# KiCad board LED_Addrs.kicad_pcb (continued)
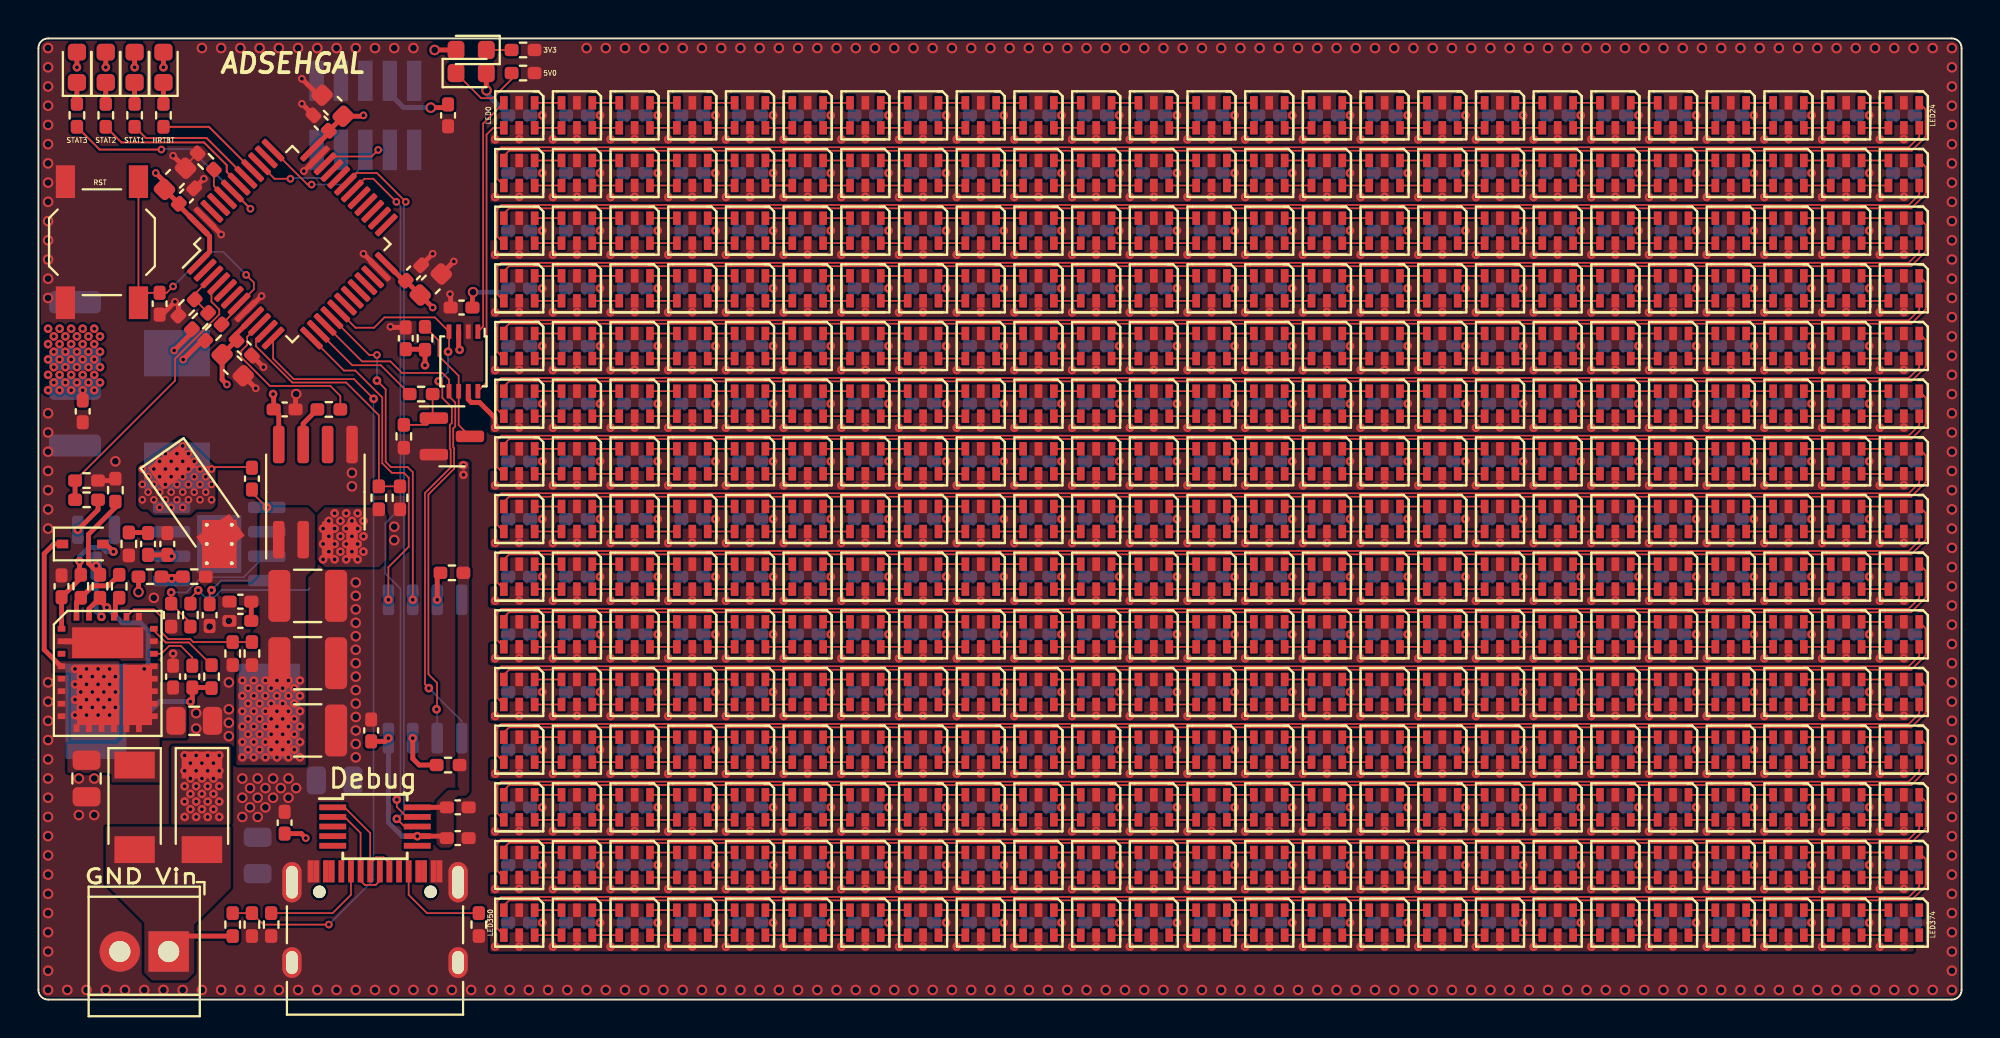
[diagram p0: board, top side]
## Routing (per net, layer and track width the routed paths; a pad name or vN(x,y) marks a point on that pad's centre or on a via; arc(x,y) is an arc through that point) (continued)
  Top w0.089: D48.1 D49.3
Net-(D48-Pad6): length 1.4
  Top w0.089: D48.6 D49.4
Net-(D49-Pad1): length 1.4
  Top w0.089: D49.1 D50.3
Net-(D49-Pad6): length 1.4
  Top w0.089: D50.4 D49.6
Net-(D51-Pad1): length 1.4
  Top w0.089: D51.1 D52.3
Net-(D51-Pad6): length 1.4
  Top w0.089: D52.4 D51.6
Net-(D52-Pad1): length 1.4
  Top w0.089: D53.3 D52.1
Net-(D52-Pad6): length 1.4
  Top w0.089: D52.6 D53.4
Net-(D53-Pad1): length 1.4
  Top w0.089: D54.3 D53.1
Net-(D53-Pad6): length 1.4
  Top w0.089: D54.4 D53.6
Net-(D54-Pad1): length 1.4
  Top w0.089: D55.3 D54.1
Net-(D54-Pad6): length 1.4
  Top w0.089: D54.6 D55.4
Net-(D55-Pad1): length 1.4
  Top w0.089: D55.1 D56.3
Net-(D55-Pad6): length 1.4
  Top w0.089: D56.4 D55.6
Net-(D56-Pad1): length 1.4
  Top w0.089: D57.3 D56.1
Net-(D56-Pad6): length 1.4
  Top w0.089: D56.6 D57.4
Net-(D57-Pad1): length 1.4
  Top w0.089: D57.1 D58.3
Net-(D57-Pad6): length 1.4
  Top w0.089: D58.4 D57.6
Net-(D58-Pad1): length 1.4
  Top w0.089: D58.1 D59.3
Net-(D58-Pad6): length 1.4
  Top w0.089: D59.4 D58.6
Net-(D59-Pad1): length 1.4
  Top w0.089: D60.3 D59.1
Net-(D59-Pad6): length 1.4
  Top w0.089: D59.6 D60.4
Net-(D60-Pad1): length 1.4
  Top w0.089: D60.1 D61.3
Net-(D60-Pad6): length 1.4
  Top w0.089: D61.4 D60.6
Net-(D61-Pad1): length 1.4
  Top w0.089: D61.1 D62.3
Net-(D61-Pad6): length 1.4
  Top w0.089: D62.4 D61.6
Net-(D62-Pad1): length 1.4
  Top w0.089: D62.1 D63.3
Net-(D62-Pad6): length 1.4
  Top w0.089: D63.4 D62.6
Net-(D63-Pad1): length 1.4
  Top w0.089: D64.3 D63.1
Net-(D63-Pad6): length 1.4
  Top w0.089: D63.6 D64.4
Net-(D64-Pad1): length 1.4
  Top w0.089: D64.1 D65.3
Net-(D64-Pad6): length 1.4
  Top w0.089: D65.4 D64.6
Net-(D65-Pad1): length 1.4
  Top w0.089: D66.3 D65.1
Net-(D65-Pad6): length 1.4
  Top w0.089: D65.6 D66.4
Net-(D66-Pad1): length 1.4
  Top w0.089: D66.1 D67.3
Net-(D66-Pad6): length 1.4
  Top w0.089: D67.4 D66.6
Net-(D67-Pad1): length 1.4
  Top w0.089: D68.3 D67.1
Net-(D67-Pad6): length 1.4
  Top w0.089: D67.6 D68.4
Net-(D68-Pad1): length 1.4
  Top w0.089: D68.1 D69.3
Net-(D68-Pad6): length 1.4
  Top w0.089: D69.4 D68.6
Net-(D69-Pad1): length 1.4
  Top w0.089: D70.3 D69.1
Net-(D69-Pad6): length 1.4
  Top w0.089: D69.6 D70.4
Net-(D70-Pad1): length 1.4
  Top w0.089: D70.1 D71.3
Net-(D70-Pad6): length 1.4
  Top w0.089: D71.4 D70.6
Net-(D71-Pad1): length 1.4
  Top w0.089: D72.3 D71.1
Net-(D71-Pad6): length 1.4
  Top w0.089: D71.6 D72.4
Net-(D72-Pad1): length 1.4
  Top w0.089: D73.3 D72.1
Net-(D72-Pad6): length 1.4
  Top w0.089: D72.6 D73.4
Net-(D73-Pad1): length 1.4
  Top w0.089: D74.3 D73.1
Net-(D73-Pad6): length 1.4
  Top w0.089: D73.6 D74.4
Net-(D74-Pad1): length 1.4
  Top w0.089: D74.1 D75.3
Net-(D74-Pad6): length 1.4
  Top w0.089: D75.4 D74.6
Net-(D76-Pad1): length 1.4
  Top w0.089: D77.3 D76.1
Net-(D76-Pad6): length 1.4
  Top w0.089: D76.6 D77.4
Net-(D77-Pad1): length 1.4
  Top w0.089: D77.1 D78.3
Net-(D77-Pad6): length 1.4
  Top w0.089: D78.4 D77.6
Net-(D78-Pad1): length 1.4
  Top w0.089: D79.3 D78.1
Net-(D78-Pad6): length 1.4
  Top w0.089: D78.6 D79.4
Net-(D79-Pad1): length 1.4
  Top w0.089: D79.1 D80.3
Net-(D79-Pad6): length 1.4
  Top w0.089: D80.4 D79.6
Net-(D80-Pad1): length 1.4
  Top w0.089: D81.3 D80.1
Net-(D80-Pad6): length 1.4
  Top w0.089: D80.6 D81.4
Net-(D81-Pad1): length 1.4
  Top w0.089: D81.1 D82.3
Net-(D81-Pad6): length 1.4
  Top w0.089: D82.4 D81.6
Net-(D82-Pad1): length 1.4
  Top w0.089: D83.3 D82.1
Net-(D82-Pad6): length 1.4
  Top w0.089: D82.6 D83.4
Net-(D83-Pad1): length 1.4
  Top w0.089: D83.1 D84.3
Net-(D83-Pad6): length 1.4
  Top w0.089: D84.4 D83.6
Net-(D84-Pad1): length 1.4
  Top w0.089: D85.3 D84.1
Net-(D84-Pad6): length 1.4
  Top w0.089: D84.6 D85.4
Net-(D85-Pad1): length 1.4
  Top w0.089: D85.1 D86.3
Net-(D85-Pad6): length 1.4
  Top w0.089: D86.4 D85.6
Net-(D86-Pad1): length 1.4
  Top w0.089: D87.3 D86.1
Net-(D86-Pad6): length 1.4
  Top w0.089: D86.6 D87.4
Net-(D87-Pad1): length 1.4
  Top w0.089: D87.1 D88.3
Net-(D87-Pad6): length 1.4
  Top w0.089: D88.4 D87.6
Net-(D88-Pad1): length 1.4
  Top w0.089: D89.3 D88.1
Net-(D88-Pad6): length 1.4
  Top w0.089: D88.6 D89.4
Net-(D89-Pad1): length 1.4
  Top w0.089: D89.1 D90.3
Net-(D89-Pad6): length 1.4
  Top w0.089: D90.4 D89.6
Net-(D90-Pad1): length 1.4
  Top w0.089: D91.3 D90.1
Net-(D90-Pad6): length 1.4
  Top w0.089: D90.6 D91.4
Net-(D91-Pad1): length 1.4
  Top w0.089: D91.1 D92.3
Net-(D91-Pad6): length 1.4
  Top w0.089: D92.4 D91.6
Net-(D92-Pad1): length 1.4
  Top w0.089: D93.3 D92.1
Net-(D92-Pad6): length 1.4
  Top w0.089: D92.6 D93.4
Net-(D93-Pad1): length 1.4
  Top w0.089: D93.1 D94.3
Net-(D93-Pad6): length 1.4
  Top w0.089: D94.4 D93.6
Net-(D94-Pad1): length 1.4
  Top w0.089: D95.3 D94.1
Net-(D94-Pad6): length 1.4
  Top w0.089: D94.6 D95.4
Net-(D95-Pad1): length 1.4
  Top w0.089: D95.1 D96.3
Net-(D95-Pad6): length 1.4
  Top w0.089: D96.4 D95.6
Net-(D96-Pad1): length 1.4
  Top w0.089: D97.3 D96.1
Net-(D96-Pad6): length 1.4
  Top w0.089: D96.6 D97.4
Net-(D97-Pad1): length 1.4
  Top w0.089: D97.1 D98.3
Net-(D97-Pad6): length 1.4
  Top w0.089: D98.4 D97.6
Net-(D98-Pad1): length 1.4
  Top w0.089: D99.3 D98.1
Net-(D98-Pad6): length 1.4
  Top w0.089: D98.6 D99.4
Net-(D100-Pad3): length 1.4
  Top w0.089: D99.1 D100.3
Net-(D100-Pad4): length 1.4
  Top w0.089: D100.4 D99.6
Net-(D101-Pad1): length 1.4
  Top w0.089: D101.1 D102.3
Net-(D101-Pad6): length 1.4
  Top w0.089: D102.4 D101.6
Net-(D102-Pad1): length 1.4
  Top w0.089: D103.3 D102.1
Net-(D102-Pad6): length 1.4
  Top w0.089: D102.6 D103.4
Net-(D103-Pad1): length 1.4
  Top w0.089: D104.3 D103.1
Net-(D103-Pad6): length 1.4
  Top w0.089: D104.4 D103.6
Net-(D104-Pad1): length 1.4
  Top w0.089: D105.3 D104.1
Net-(D104-Pad6): length 1.4
  Top w0.089: D104.6 D105.4
Net-(D105-Pad1): length 1.4
  Top w0.089: D105.1 D106.3
Net-(D105-Pad6): length 1.4
  Top w0.089: D106.4 D105.6
Net-(D106-Pad1): length 1.4
  Top w0.089: D107.3 D106.1
Net-(D106-Pad6): length 1.4
  Top w0.089: D106.6 D107.4
Net-(D107-Pad1): length 1.4
  Top w0.089: D107.1 D108.3
Net-(D107-Pad6): length 1.4
  Top w0.089: D108.4 D107.6
Net-(D108-Pad1): length 1.4
  Top w0.089: D108.1 D109.3
Net-(D108-Pad6): length 1.4
  Top w0.089: D109.4 D108.6
Net-(D109-Pad1): length 1.4
  Top w0.089: D110.3 D109.1
Net-(D109-Pad6): length 1.4
  Top w0.089: D109.6 D110.4
Net-(D110-Pad1): length 1.4
  Top w0.089: D110.1 D111.3
Net-(D110-Pad6): length 1.4
  Top w0.089: D111.4 D110.6
Net-(D111-Pad1): length 1.4
  Top w0.089: D111.1 D112.3
Net-(D111-Pad6): length 1.4
  Top w0.089: D112.4 D111.6
Net-(D112-Pad1): length 1.4
  Top w0.089: D112.1 D113.3
Net-(D112-Pad6): length 1.4
  Top w0.089: D113.4 D112.6
Net-(D113-Pad1): length 1.4
  Top w0.089: D114.3 D113.1
Net-(D113-Pad6): length 1.4
  Top w0.089: D113.6 D114.4
Net-(D114-Pad1): length 1.4
  Top w0.089: D114.1 D115.3
Net-(D114-Pad6): length 1.4
  Top w0.089: D115.4 D114.6
Net-(D115-Pad1): length 1.4
  Top w0.089: D116.3 D115.1
Net-(D115-Pad6): length 1.4
  Top w0.089: D115.6 D116.4
Net-(D116-Pad1): length 1.4
  Top w0.089: D116.1 D117.3
Net-(D116-Pad6): length 1.4
  Top w0.089: D117.4 D116.6
Net-(D117-Pad1): length 1.4
  Top w0.089: D118.3 D117.1
Net-(D117-Pad6): length 1.4
  Top w0.089: D117.6 D118.4
Net-(D118-Pad1): length 1.4
  Top w0.089: D118.1 D119.3
Net-(D118-Pad6): length 1.4
  Top w0.089: D119.4 D118.6
Net-(D119-Pad1): length 1.4
  Top w0.089: D120.3 D119.1
Net-(D119-Pad6): length 1.4
  Top w0.089: D119.6 D120.4
Net-(D120-Pad1): length 1.4
  Top w0.089: D120.1 D121.3
Net-(D120-Pad6): length 1.4
  Top w0.089: D121.4 D120.6
Net-(D121-Pad1): length 1.4
  Top w0.089: D122.3 D121.1
Net-(D121-Pad6): length 1.4
  Top w0.089: D121.6 D122.4
Net-(D122-Pad1): length 1.4
  Top w0.089: D123.3 D122.1
Net-(D122-Pad6): length 1.4
  Top w0.089: D122.6 D123.4
Net-(D123-Pad1): length 1.4
  Top w0.089: D124.3 D123.1
Net-(D123-Pad6): length 1.4
  Top w0.089: D123.6 D124.4
Net-(D124-Pad1): length 1.4
  Top w0.089: D124.1 D125.3
Net-(D124-Pad6): length 1.4
  Top w0.089: D125.4 D124.6
Net-(D126-Pad1): length 1.4
  Top w0.089: D127.3 D126.1
Net-(D126-Pad6): length 1.4
  Top w0.089: D126.6 D127.4
Net-(D127-Pad1): length 1.4
  Top w0.089: D127.1 D128.3
Net-(D127-Pad6): length 1.4
  Top w0.089: D128.4 D127.6
Net-(D128-Pad1): length 1.4
  Top w0.089: D129.3 D128.1
Net-(D128-Pad6): length 1.4
  Top w0.089: D128.6 D129.4
Net-(D129-Pad1): length 1.4
  Top w0.089: D129.1 D130.3
Net-(D129-Pad6): length 1.4
  Top w0.089: D130.4 D129.6
Net-(D130-Pad1): length 1.4
  Top w0.089: D131.3 D130.1
Net-(D130-Pad6): length 1.4
  Top w0.089: D130.6 D131.4
Net-(D131-Pad1): length 1.4
  Top w0.089: D131.1 D132.3
Net-(D131-Pad6): length 1.4
  Top w0.089: D132.4 D131.6
Net-(D132-Pad1): length 1.4
  Top w0.089: D133.3 D132.1
Net-(D132-Pad6): length 1.4
  Top w0.089: D132.6 D133.4
Net-(D133-Pad1): length 1.4
  Top w0.089: D133.1 D134.3
Net-(D133-Pad6): length 1.4
  Top w0.089: D134.4 D133.6
Net-(D134-Pad1): length 1.4
  Top w0.089: D135.3 D134.1
Net-(D134-Pad6): length 1.4
  Top w0.089: D134.6 D135.4
Net-(D135-Pad1): length 1.4
  Top w0.089: D135.1 D136.3
Net-(D135-Pad6): length 1.4
  Top w0.089: D136.4 D135.6
Net-(D136-Pad1): length 1.4
  Top w0.089: D137.3 D136.1
Net-(D136-Pad6): length 1.4
  Top w0.089: D136.6 D137.4
Net-(D137-Pad1): length 1.4
  Top w0.089: D137.1 D138.3
Net-(D137-Pad6): length 1.4
  Top w0.089: D138.4 D137.6
Net-(D138-Pad1): length 1.4
  Top w0.089: D139.3 D138.1
Net-(D138-Pad6): length 1.4
  Top w0.089: D138.6 D139.4
Net-(D139-Pad1): length 1.4
  Top w0.089: D139.1 D140.3
Net-(D139-Pad6): length 1.4
  Top w0.089: D140.4 D139.6
Net-(D140-Pad1): length 1.4
  Top w0.089: D141.3 D140.1
Net-(D140-Pad6): length 1.4
  Top w0.089: D140.6 D141.4
Net-(D141-Pad1): length 1.4
  Top w0.089: D141.1 D142.3
Net-(D141-Pad6): length 1.4
  Top w0.089: D142.4 D141.6
Net-(D142-Pad1): length 1.4
  Top w0.089: D143.3 D142.1
Net-(D142-Pad6): length 1.4
  Top w0.089: D142.6 D143.4
Net-(D143-Pad1): length 1.4
  Top w0.089: D143.1 D144.3
Net-(D143-Pad6): length 1.4
  Top w0.089: D144.4 D143.6
Net-(D144-Pad1): length 1.4
  Top w0.089: D145.3 D144.1
Net-(D144-Pad6): length 1.4
  Top w0.089: D144.6 D145.4
Net-(D145-Pad1): length 1.4
  Top w0.089: D145.1 D146.3
Net-(D145-Pad6): length 1.4
  Top w0.089: D146.4 D145.6
Net-(D146-Pad1): length 1.4
  Top w0.089: D147.3 D146.1
Net-(D146-Pad6): length 1.4
  Top w0.089: D146.6 D147.4
Net-(D147-Pad1): length 1.4
  Top w0.089: D147.1 D148.3
Net-(D147-Pad6): length 1.4
  Top w0.089: D148.4 D147.6
Net-(D148-Pad1): length 1.4
  Top w0.089: D149.3 D148.1
Net-(D148-Pad6): length 1.4
  Top w0.089: D148.6 D149.4
Net-(D149-Pad1): length 1.4
  Top w0.089: D149.1 D150.3
Net-(D149-Pad6): length 1.4
  Top w0.089: D150.4 D149.6
Net-(D151-Pad1): length 1.4
  Top w0.089: D151.1 D152.3
Net-(D151-Pad6): length 1.4
  Top w0.089: D152.4 D151.6
Net-(D152-Pad1): length 1.4
  Top w0.089: D153.3 D152.1
Net-(D152-Pad6): length 1.4
  Top w0.089: D152.6 D153.4
Net-(D153-Pad1): length 1.4
  Top w0.089: D154.3 D153.1
Net-(D153-Pad6): length 1.4
  Top w0.089: D154.4 D153.6
Net-(D154-Pad1): length 1.4
  Top w0.089: D155.3 D154.1
Net-(D154-Pad6): length 1.4
  Top w0.089: D154.6 D155.4
Net-(D155-Pad1): length 1.4
  Top w0.089: D155.1 D156.3
Net-(D155-Pad6): length 1.4
  Top w0.089: D156.4 D155.6
Net-(D156-Pad1): length 1.4
  Top w0.089: D157.3 D156.1
Net-(D156-Pad6): length 1.4
  Top w0.089: D156.6 D157.4
Net-(D157-Pad1): length 1.4
  Top w0.089: D157.1 D158.3
Net-(D157-Pad6): length 1.4
  Top w0.089: D158.4 D157.6
Net-(D158-Pad1): length 1.4
  Top w0.089: D158.1 D159.3
Net-(D158-Pad6): length 1.4
  Top w0.089: D159.4 D158.6
Net-(D159-Pad1): length 1.4
  Top w0.089: D160.3 D159.1
Net-(D159-Pad6): length 1.4
  Top w0.089: D159.6 D160.4
Net-(D160-Pad1): length 1.4
  Top w0.089: D160.1 D161.3
Net-(D160-Pad6): length 1.4
  Top w0.089: D161.4 D160.6
Net-(D161-Pad1): length 1.4
  Top w0.089: D161.1 D162.3
Net-(D161-Pad6): length 1.4
  Top w0.089: D162.4 D161.6
Net-(D162-Pad1): length 1.4
  Top w0.089: D162.1 D163.3
Net-(D162-Pad6): length 1.4
  Top w0.089: D163.4 D162.6
Net-(D163-Pad1): length 1.4
  Top w0.089: D164.3 D163.1
Net-(D163-Pad6): length 1.4
  Top w0.089: D163.6 D164.4
Net-(D164-Pad1): length 1.4
  Top w0.089: D164.1 D165.3
Net-(D164-Pad6): length 1.4
  Top w0.089: D165.4 D164.6
Net-(D165-Pad1): length 1.4
  Top w0.089: D166.3 D165.1
Net-(D165-Pad6): length 1.4
  Top w0.089: D165.6 D166.4
Net-(D166-Pad1): length 1.4
  Top w0.089: D166.1 D167.3
Net-(D166-Pad6): length 1.4
  Top w0.089: D167.4 D166.6
Net-(D167-Pad1): length 1.4
  Top w0.089: D168.3 D167.1
Net-(D167-Pad6): length 1.4
  Top w0.089: D167.6 D168.4
Net-(D168-Pad1): length 1.4
  Top w0.089: D168.1 D169.3
Net-(D168-Pad6): length 1.4
  Top w0.089: D169.4 D168.6
Net-(D169-Pad1): length 1.4
  Top w0.089: D170.3 D169.1
Net-(D169-Pad6): length 1.4
  Top w0.089: D169.6 D170.4
Net-(D170-Pad1): length 1.4
  Top w0.089: D170.1 D171.3
Net-(D170-Pad6): length 1.4
  Top w0.089: D171.4 D170.6
Net-(D171-Pad1): length 1.4
  Top w0.089: D172.3 D171.1
Net-(D171-Pad6): length 1.4
  Top w0.089: D171.6 D172.4
Net-(D172-Pad1): length 1.4
  Top w0.089: D173.3 D172.1
Net-(D172-Pad6): length 1.4
  Top w0.089: D172.6 D173.4
Net-(D173-Pad1): length 1.4
  Top w0.089: D174.3 D173.1
Net-(D173-Pad6): length 1.4
  Top w0.089: D173.6 D174.4
Net-(D174-Pad1): length 1.4
  Top w0.089: D174.1 D175.3
Net-(D174-Pad6): length 1.4
  Top w0.089: D175.4 D174.6
Net-(D176-Pad1): length 1.4
  Top w0.089: D177.3 D176.1
Net-(D176-Pad6): length 1.4
  Top w0.089: D176.6 D177.4
Net-(D177-Pad1): length 1.4
  Top w0.089: D177.1 D178.3
Net-(D177-Pad6): length 1.4
  Top w0.089: D178.4 D177.6
Net-(D178-Pad1): length 1.4
  Top w0.089: D179.3 D178.1
Net-(D178-Pad6): length 1.4
  Top w0.089: D178.6 D179.4
Net-(D179-Pad1): length 1.4
  Top w0.089: D179.1 D180.3
Net-(D179-Pad6): length 1.4
  Top w0.089: D180.4 D179.6
Net-(D180-Pad1): length 1.4
  Top w0.089: D181.3 D180.1
Net-(D180-Pad6): length 1.4
  Top w0.089: D180.6 D181.4
Net-(D181-Pad1): length 1.4
  Top w0.089: D181.1 D182.3
Net-(D181-Pad6): length 1.4
  Top w0.089: D182.4 D181.6
Net-(D182-Pad1): length 1.4
  Top w0.089: D183.3 D182.1
Net-(D182-Pad6): length 1.4
  Top w0.089: D182.6 D183.4
Net-(D183-Pad1): length 1.4
  Top w0.089: D183.1 D184.3
Net-(D183-Pad6): length 1.4
  Top w0.089: D184.4 D183.6
Net-(D184-Pad1): length 1.4
  Top w0.089: D185.3 D184.1
Net-(D184-Pad6): length 1.4
  Top w0.089: D184.6 D185.4
Net-(D185-Pad1): length 1.4
  Top w0.089: D185.1 D186.3
Net-(D185-Pad6): length 1.4
  Top w0.089: D186.4 D185.6
Net-(D186-Pad1): length 1.4
  Top w0.089: D187.3 D186.1
Net-(D186-Pad6): length 1.4
  Top w0.089: D186.6 D187.4
Net-(D187-Pad1): length 1.4
  Top w0.089: D187.1 D188.3
Net-(D187-Pad6): length 1.4
  Top w0.089: D188.4 D187.6
Net-(D188-Pad1): length 1.4
  Top w0.089: D189.3 D188.1
Net-(D188-Pad6): length 1.4
  Top w0.089: D188.6 D189.4
Net-(D189-Pad1): length 1.4
  Top w0.089: D189.1 D190.3
Net-(D189-Pad6): length 1.4
  Top w0.089: D190.4 D189.6
Net-(D190-Pad1): length 1.4
  Top w0.089: D191.3 D190.1
Net-(D190-Pad6): length 1.4
  Top w0.089: D190.6 D191.4
Net-(D191-Pad1): length 1.4
  Top w0.089: D191.1 D192.3
Net-(D191-Pad6): length 1.4
  Top w0.089: D192.4 D191.6
Net-(D192-Pad1): length 1.4
  Top w0.089: D193.3 D192.1
Net-(D192-Pad6): length 1.4
  Top w0.089: D192.6 D193.4
Net-(D193-Pad1): length 1.4
  Top w0.089: D193.1 D194.3
Net-(D193-Pad6): length 1.4
  Top w0.089: D194.4 D193.6
Net-(D194-Pad1): length 1.4
  Top w0.089: D195.3 D194.1
Net-(D194-Pad6): length 1.4
  Top w0.089: D194.6 D195.4
Net-(D195-Pad1): length 1.4
  Top w0.089: D195.1 D196.3
Net-(D195-Pad6): length 1.4
  Top w0.089: D196.4 D195.6
Net-(D196-Pad1): length 1.4
  Top w0.089: D197.3 D196.1
Net-(D196-Pad6): length 1.4
  Top w0.089: D196.6 D197.4
Net-(D197-Pad1): length 1.4
  Top w0.089: D197.1 D198.3
Net-(D197-Pad6): length 1.4
  Top w0.089: D198.4 D197.6
Net-(D198-Pad1): length 1.4
  Top w0.089: D199.3 D198.1
Net-(D198-Pad6): length 1.4
  Top w0.089: D198.6 D199.4
Net-(D199-Pad1): length 1.4
  Top w0.089: D199.1 D200.3
Net-(D199-Pad6): length 1.4
  Top w0.089: D200.4 D199.6
Net-(D201-Pad1): length 1.4
  Top w0.089: D201.1 D202.3
Net-(D201-Pad6): length 1.4
  Top w0.089: D202.4 D201.6
Net-(D202-Pad1): length 1.4
  Top w0.089: D203.3 D202.1
Net-(D202-Pad6): length 1.4
  Top w0.089: D202.6 D203.4
Net-(D203-Pad1): length 1.4
  Top w0.089: D204.3 D203.1
Net-(D203-Pad6): length 1.4
  Top w0.089: D204.4 D203.6
Net-(D204-Pad1): length 1.4
  Top w0.089: D205.3 D204.1
Net-(D204-Pad6): length 1.4
  Top w0.089: D204.6 D205.4
Net-(D205-Pad1): length 1.4
  Top w0.089: D205.1 D206.3
Net-(D205-Pad6): length 1.4
  Top w0.089: D206.4 D205.6
Net-(D206-Pad1): length 1.4
  Top w0.089: D207.3 D206.1
Net-(D206-Pad6): length 1.4
  Top w0.089: D206.6 D207.4
Net-(D207-Pad1): length 1.4
  Top w0.089: D207.1 D208.3
Net-(D207-Pad6): length 1.4
  Top w0.089: D208.4 D207.6
Net-(D208-Pad1): length 1.4
  Top w0.089: D208.1 D209.3
Net-(D208-Pad6): length 1.4
  Top w0.089: D209.4 D208.6
Net-(D209-Pad1): length 1.4
  Top w0.089: D210.3 D209.1
Net-(D209-Pad6): length 1.4
  Top w0.089: D209.6 D210.4
Net-(D210-Pad1): length 1.4
  Top w0.089: D210.1 D211.3
Net-(D210-Pad6): length 1.4
  Top w0.089: D211.4 D210.6
Net-(D211-Pad1): length 1.4
  Top w0.089: D211.1 D212.3
Net-(D211-Pad6): length 1.4
  Top w0.089: D212.4 D211.6
Net-(D212-Pad1): length 1.4
  Top w0.089: D212.1 D213.3
Net-(D212-Pad6): length 1.4
  Top w0.089: D213.4 D212.6
Net-(D213-Pad1): length 1.4
  Top w0.089: D214.3 D213.1
Net-(D213-Pad6): length 1.4
  Top w0.089: D213.6 D214.4
Net-(D214-Pad1): length 1.4
  Top w0.089: D214.1 D215.3
Net-(D214-Pad6): length 1.4
  Top w0.089: D215.4 D214.6
Net-(D215-Pad1): length 1.4
  Top w0.089: D216.3 D215.1
Net-(D215-Pad6): length 1.4
  Top w0.089: D215.6 D216.4
Net-(D216-Pad1): length 1.4
  Top w0.089: D216.1 D217.3
Net-(D216-Pad6): length 1.4
  Top w0.089: D217.4 D216.6
Net-(D217-Pad1): length 1.4
  Top w0.089: D218.3 D217.1
Net-(D217-Pad6): length 1.4
  Top w0.089: D217.6 D218.4
Net-(D218-Pad1): length 1.4
  Top w0.089: D218.1 D219.3
Net-(D218-Pad6): length 1.4
  Top w0.089: D219.4 D218.6
Net-(D219-Pad1): length 1.4
  Top w0.089: D220.3 D219.1
Net-(D219-Pad6): length 1.4
  Top w0.089: D219.6 D220.4
Net-(D220-Pad1): length 1.4
  Top w0.089: D220.1 D221.3
Net-(D220-Pad6): length 1.4
  Top w0.089: D221.4 D220.6
Net-(D221-Pad1): length 1.4
  Top w0.089: D222.3 D221.1
Net-(D221-Pad6): length 1.4
  Top w0.089: D221.6 D222.4
Net-(D222-Pad1): length 1.4
  Top w0.089: D223.3 D222.1
Net-(D222-Pad6): length 1.4
  Top w0.089: D222.6 D223.4
Net-(D223-Pad1): length 1.4
  Top w0.089: D224.3 D223.1
Net-(D223-Pad6): length 1.4
  Top w0.089: D223.6 D224.4
Net-(D224-Pad1): length 1.4
  Top w0.089: D224.1 D225.3
Net-(D224-Pad6): length 1.4
  Top w0.089: D225.4 D224.6
Net-(D226-Pad1): length 1.4
  Top w0.089: D227.3 D226.1
Net-(D226-Pad6): length 1.4
  Top w0.089: D226.6 D227.4
Net-(D227-Pad1): length 1.4
  Top w0.089: D227.1 D228.3
Net-(D227-Pad6): length 1.4
  Top w0.089: D228.4 D227.6
Net-(D228-Pad1): length 1.4
  Top w0.089: D229.3 D228.1
Net-(D228-Pad6): length 1.4
  Top w0.089: D228.6 D229.4
Net-(D229-Pad1): length 1.4
  Top w0.089: D229.1 D230.3
Net-(D229-Pad6): length 1.4
  Top w0.089: D230.4 D229.6
Net-(D230-Pad1): length 1.4
  Top w0.089: D231.3 D230.1
Net-(D230-Pad6): length 1.4
  Top w0.089: D230.6 D231.4
Net-(D231-Pad1): length 1.4
  Top w0.089: D231.1 D232.3
Net-(D231-Pad6): length 1.4
  Top w0.089: D232.4 D231.6
Net-(D232-Pad1): length 1.4
  Top w0.089: D233.3 D232.1
Net-(D232-Pad6): length 1.4
  Top w0.089: D232.6 D233.4
Net-(D233-Pad1): length 1.4
  Top w0.089: D233.1 D234.3
Net-(D233-Pad6): length 1.4
  Top w0.089: D234.4 D233.6
Net-(D234-Pad1): length 1.4
  Top w0.089: D235.3 D234.1
Net-(D234-Pad6): length 1.4
  Top w0.089: D234.6 D235.4
Net-(D235-Pad1): length 1.4
  Top w0.089: D235.1 D236.3
Net-(D235-Pad6): length 1.4
  Top w0.089: D236.4 D235.6
Net-(D236-Pad1): length 1.4
  Top w0.089: D237.3 D236.1
Net-(D236-Pad6): length 1.4
  Top w0.089: D236.6 D237.4
Net-(D237-Pad1): length 1.4
  Top w0.089: D237.1 D238.3
Net-(D237-Pad6): length 1.4
  Top w0.089: D238.4 D237.6
Net-(D238-Pad1): length 1.4
  Top w0.089: D239.3 D238.1
Net-(D238-Pad6): length 1.4
  Top w0.089: D238.6 D239.4
Net-(D239-Pad1): length 1.4
  Top w0.089: D239.1 D240.3
Net-(D239-Pad6): length 1.4
  Top w0.089: D240.4 D239.6
Net-(D240-Pad1): length 1.4
  Top w0.089: D241.3 D240.1
Net-(D240-Pad6): length 1.4
  Top w0.089: D240.6 D241.4
Net-(D241-Pad1): length 1.4
  Top w0.089: D241.1 D242.3
Net-(D241-Pad6): length 1.4
  Top w0.089: D242.4 D241.6
Net-(D242-Pad1): length 1.4
  Top w0.089: D243.3 D242.1
Net-(D242-Pad6): length 1.4
  Top w0.089: D242.6 D243.4
Net-(D243-Pad1): length 1.4
  Top w0.089: D243.1 D244.3
Net-(D243-Pad6): length 1.4
  Top w0.089: D244.4 D243.6
Net-(D244-Pad1): length 1.4
  Top w0.089: D245.3 D244.1
Net-(D244-Pad6): length 1.4
  Top w0.089: D244.6 D245.4
Net-(D245-Pad1): length 1.4
  Top w0.089: D245.1 D246.3
Net-(D245-Pad6): length 1.4
  Top w0.089: D246.4 D245.6
Net-(D246-Pad1): length 1.4
  Top w0.089: D247.3 D246.1
Net-(D246-Pad6): length 1.4
  Top w0.089: D246.6 D247.4
Net-(D247-Pad1): length 1.4
  Top w0.089: D247.1 D248.3
Net-(D247-Pad6): length 1.4
  Top w0.089: D248.4 D247.6
Net-(D248-Pad1): length 1.4
  Top w0.089: D249.3 D248.1
Net-(D248-Pad6): length 1.4
  Top w0.089: D248.6 D249.4
Net-(D249-Pad1): length 1.4
  Top w0.089: D249.1 D250.3
Net-(D249-Pad6): length 1.4
  Top w0.089: D250.4 D249.6
Net-(D251-Pad1): length 1.4
  Top w0.089: D251.1 D252.3
Net-(D251-Pad6): length 1.4
  Top w0.089: D252.4 D251.6
Net-(D252-Pad1): length 1.4
  Top w0.089: D253.3 D252.1
Net-(D252-Pad6): length 1.4
  Top w0.089: D252.6 D253.4
Net-(D253-Pad1): length 1.4
  Top w0.089: D254.3 D253.1
Net-(D253-Pad6): length 1.4
  Top w0.089: D254.4 D253.6
Net-(D254-Pad1): length 1.4
  Top w0.089: D255.3 D254.1
Net-(D254-Pad6): length 1.4
  Top w0.089: D254.6 D255.4
Net-(D255-Pad1): length 1.4
  Top w0.089: D255.1 D256.3
Net-(D255-Pad6): length 1.4
  Top w0.089: D256.4 D255.6
Net-(D256-Pad1): length 1.4
  Top w0.089: D257.3 D256.1
Net-(D256-Pad6): length 1.4
  Top w0.089: D256.6 D257.4
Net-(D257-Pad1): length 1.4
  Top w0.089: D257.1 D258.3
Net-(D257-Pad6): length 1.4
  Top w0.089: D258.4 D257.6
Net-(D258-Pad1): length 1.4
  Top w0.089: D258.1 D259.3
Net-(D258-Pad6): length 1.4
  Top w0.089: D259.4 D258.6
Net-(D259-Pad1): length 1.4
  Top w0.089: D260.3 D259.1
Net-(D259-Pad6): length 1.4
  Top w0.089: D259.6 D260.4
Net-(D260-Pad1): length 1.4
  Top w0.089: D260.1 D261.3
Net-(D260-Pad6): length 1.4
  Top w0.089: D261.4 D260.6
Net-(D261-Pad1): length 1.4
  Top w0.089: D261.1 D262.3
Net-(D261-Pad6): length 1.4
  Top w0.089: D262.4 D261.6
Net-(D262-Pad1): length 1.4
  Top w0.089: D262.1 D263.3
Net-(D262-Pad6): length 1.4
  Top w0.089: D263.4 D262.6
Net-(D263-Pad1): length 1.4
  Top w0.089: D264.3 D263.1
Net-(D263-Pad6): length 1.4
  Top w0.089: D263.6 D264.4
Net-(D264-Pad1): length 1.4
  Top w0.089: D264.1 D265.3
Net-(D264-Pad6): length 1.4
  Top w0.089: D265.4 D264.6
Net-(D265-Pad1): length 1.4
  Top w0.089: D266.3 D265.1
Net-(D265-Pad6): length 1.4
  Top w0.089: D265.6 D266.4
Net-(D266-Pad1): length 1.4
  Top w0.089: D266.1 D267.3
Net-(D266-Pad6): length 1.4
  Top w0.089: D267.4 D266.6
Net-(D267-Pad1): length 1.4
  Top w0.089: D268.3 D267.1
Net-(D267-Pad6): length 1.4
  Top w0.089: D267.6 D268.4
Net-(D268-Pad1): length 1.4
  Top w0.089: D268.1 D269.3
Net-(D268-Pad6): length 1.4
  Top w0.089: D269.4 D268.6
Net-(D269-Pad1): length 1.4
  Top w0.089: D270.3 D269.1
Net-(D269-Pad6): length 1.4
  Top w0.089: D269.6 D270.4
Net-(D270-Pad1): length 1.4
  Top w0.089: D270.1 D271.3
Net-(D270-Pad6): length 1.4
  Top w0.089: D271.4 D270.6
Net-(D271-Pad1): length 1.4
  Top w0.089: D272.3 D271.1
Net-(D271-Pad6): length 1.4
  Top w0.089: D271.6 D272.4
Net-(D272-Pad1): length 1.4
  Top w0.089: D273.3 D272.1
Net-(D272-Pad6): length 1.4
  Top w0.089: D272.6 D273.4
Net-(D273-Pad1): length 1.4
  Top w0.089: D274.3 D273.1
Net-(D273-Pad6): length 1.4
  Top w0.089: D273.6 D274.4
Net-(D274-Pad1): length 1.4
  Top w0.089: D274.1 D275.3
Net-(D274-Pad6): length 1.4
  Top w0.089: D275.4 D274.6
Net-(D276-Pad1): length 1.4
  Top w0.089: D277.3 D276.1
Net-(D276-Pad6): length 1.4
  Top w0.089: D276.6 D277.4
Net-(D277-Pad1): length 1.4
  Top w0.089: D277.1 D278.3
Net-(D277-Pad6): length 1.4
  Top w0.089: D278.4 D277.6
Net-(D278-Pad1): length 1.4
  Top w0.089: D279.3 D278.1
Net-(D278-Pad6): length 1.4
  Top w0.089: D278.6 D279.4
Net-(D279-Pad1): length 1.4
  Top w0.089: D279.1 D280.3
Net-(D279-Pad6): length 1.4
  Top w0.089: D280.4 D279.6
Net-(D280-Pad1): length 1.4
  Top w0.089: D281.3 D280.1
Net-(D280-Pad6): length 1.4
  Top w0.089: D280.6 D281.4
Net-(D281-Pad1): length 1.4
  Top w0.089: D281.1 D282.3
Net-(D281-Pad6): length 1.4
  Top w0.089: D282.4 D281.6
Net-(D282-Pad1): length 1.4
  Top w0.089: D283.3 D282.1
Net-(D282-Pad6): length 1.4
  Top w0.089: D282.6 D283.4
Net-(D283-Pad1): length 1.4
  Top w0.089: D283.1 D284.3
Net-(D283-Pad6): length 1.4
  Top w0.089: D284.4 D283.6
